# KiCad board ASP-K8071.kicad_pcb (continued)
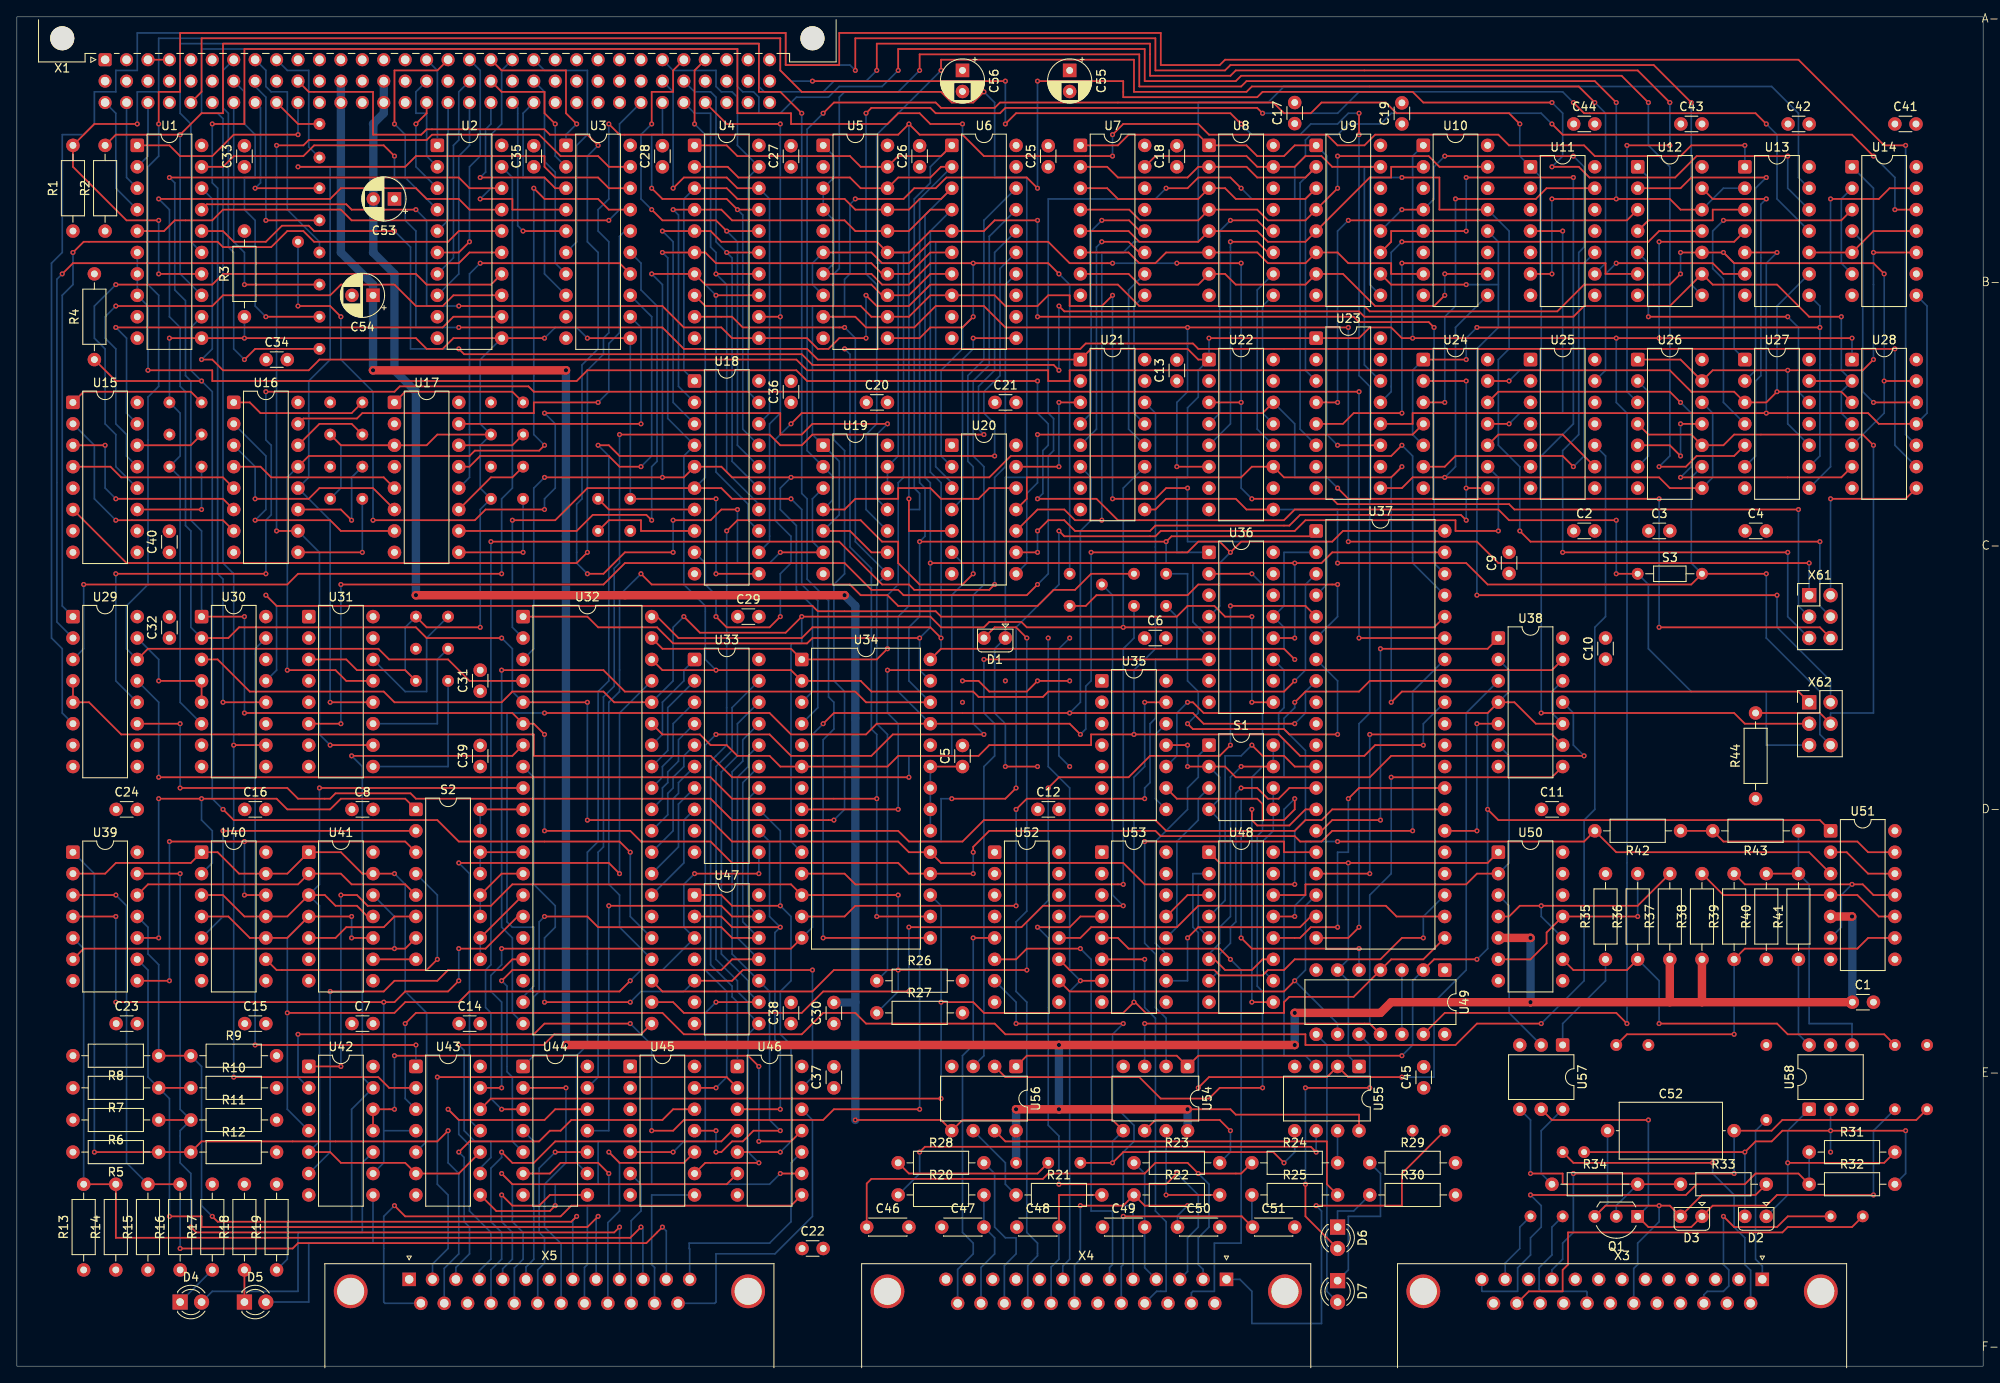
[diagram p0: board, top side]
## Routing (per net, layer and track width the routed paths; a pad name or vN(x,y) marks a point on that pad's centre or on a via; arc(x,y) is an arc through that point) (continued)
U53Y3: length 28.6
  Bottom w0.2: U53.11 136.19,48.88 134.91,50.15 134.91,62.21 138.72,66.02 138.72,68.56 140,69.83 140,72.37 S1.1
U53Y4: length 23.9
  Top w0.2: U37.19 153.33,53.32 152.06,52.05 140,52.05 v1(138.72,50.78)
  Bottom w0.2: U53.10 138.72,45.7 v1(138.72,50.78)
U54A1: length 49.3
  Top w0.2: v1(133.65,62.21) 150.16,62.21 150.16,60.94 U37.16
  Bottom w0.2: U54.2 136.19,41.25 134.91,42.53 134.91,48.88 133.65,50.15 v1(133.65,62.21)
U54Y1: length 14
  Top w0.2: v1(136.19,20.3) R22.2
  Bottom w0.2: U54.7 v1(136.19,20.3)
U54Y2: length 15.5
  Top w0.2: v1(143.81,27.92) 142.53,29.19 134.91,29.19 U54.6
  Bottom w0.2: v1(143.81,27.92) 143.81,25.38 R23.2
U55Y1: length 3.8
  Bottom w0.2: U55.7 R24.2
U55Y2: length 56.2
  Top w0.2: v1(106.97,25.38) 107.61,26.01 153.33,26.01 v1(153.97,25.38)
  Bottom w0.2: U55.6 v1(153.97,25.38) ; v1(106.97,25.38) 106.97,22.84 R20.1
U56Y1: length 46.8
  Top w0.2: R25.2 155.23,21.57 155.23,26.65 117.13,26.65 U56.7
U56Y2: length 9.7
  Bottom w0.2: R21.1 117.13,21.57 117.13,24.11 U56.6
U57A: length 12.3
  Bottom w0.2: U57.1 183.18,40.62 188.25,45.7 R35.1
X1C3: length 8.1
  Bottom w0.2: X1.c3 15.53,143.49 U1.2
X1C26: length 73
  Top w0.2: U1.5 17.44,134.6 18.71,135.87 23.16,135.87 24.42,137.14 38.39,137.14 39.66,135.87 v1(70.14,135.87)
  Bottom w0.2: X1.c26 71.41,147.3 71.41,137.14 v1(70.14,135.87)
X105_P: length 19.8
  Bottom w0.2: X3.1 206.84,11.88 206.03,12.68 206.03,27.92 X105.1
X111_P: length 51.1
  Top w0.2: v1(153.97,19.03) 164.12,19.03 164.12,22.84 X111.1
  Bottom w0.2: X4.1 144.93,10.29 146.34,8.87 146.34,5.06 154.6,5.06 154.6,18.4 v1(153.97,19.03)
X201_P: length 49
  Top w0.2: X201.1 217.47,16.49 209.84,16.49 209.21,15.85 183.81,15.85 183.81,12.04 183.18,11.41 183.18,8.87 179.17,8.87 X3.24
X202_P: length 26.7
  Top w0.2: v1(202.22,17.76) 203.5,16.49 208.57,16.49 209.84,17.76 X202.1
  Bottom w0.2: v1(202.22,17.76) 202.22,12.04 202.86,11.41 202.86,9.5 202.22,8.87 200.32,8.87 199.91,8.46 X3.16
X203_P: length 16.9
  Bottom w0.2: X3.21 186.06,8.78 185.97,8.87 180.63,8.87 180.38,9.12 180.38,11.66 181.91,13.19 181.91,16.49 X203.1
X204_P: length 8.7
  Bottom w0.2: X3.12 176.37,12.22 178.09,13.95 178.09,16.49 X204.1
X1010_P: length 36.8
  Top w0.2: X1010.1 184.44,24.11 v1(200.96,24.11)
  Bottom w0.2: 205.45,7.45 205.45,11.36 204.76,12.04 204.76,15.22 203.5,16.49 203.5,20.3 200.96,22.84 v1(200.96,24.11)
Net-(D4-A): length 36.6
  Bottom w0.2: D4.2 23.16,8.87 33.31,8.87 33.31,15.85 40.94,15.85 40.94,24.11 U42.10
Net-(D4-K): length 5.4
  Bottom w0.2: D4.1 R17.1
Net-(D5-A): length 25.4
  Bottom w0.2: D5.2 34.58,7.6 34.58,14.59 42.2,14.59 U42.8
Net-(D5-K): length 3.8
  Top w0.2: D5.1 R18.1
Net-(D6-A): length 35.1
  Top w0.2: D6.2 152.69,17.76 v1(152.69,21.57) ; v1(160.31,33) v1(152.69,33)
  Bottom w0.2: v1(160.31,33) 160.31,38.08 U49.10 ; v1(152.69,33) v1(152.69,21.57)
Net-(D6-K): length 6.5
  Bottom w0.2: D6.1 156.5,18.4 158.41,18.4 R30.1
Net-(D7-A): length 32.8
  Bottom w0.2: D7.2 155.23,8.87 155.23,38.08 U49.8
Net-(D7-K): length 18.8
  Bottom w0.2: R29.1 161.59,22.84 161.59,17.76 157.78,17.76 157.78,11.41 D7.1
Net-(S2-Pad1): length 61.1
  Top w0.2: v1(16.8,67.29) v1(21.89,67.29) 30.78,67.29 32.05,66.02 37.12,66.02 38.39,67.29 46.02,67.29 S2.1 ; v1(16.8,50.78) U39.10
  Bottom w0.2: v1(21.89,67.29) 21.89,64.75 23.16,63.48 23.16,59.67 U40.2 ; v1(16.8,67.29) v1(16.8,50.78)
Net-(S2-Pad2): length 36.6
  Top w0.2: v1(24.42,63.48) S2.2
  Bottom w0.2: U40.5 24.42,53.32 v1(24.42,63.48)
Net-(S2-Pad3): length 58.9
  Top w0.2: v1(18.07,62.21) v1(26.97,62.21) 46.02,62.21 S2.3 ; v1(26.97,55.86) U40.12 ; U39.8 v1(18.07,45.7)
  Bottom w0.2: v1(26.97,62.21) v1(26.97,55.86) ; v1(18.07,45.7) v1(18.07,62.21)
Net-(S2-Pad4): length 32.6
  Top w0.2: v1(49.83,48.24) 48.55,46.97 30.78,46.97 U40.9
  Bottom w0.2: v1(49.83,48.24) 49.83,55.86 S2.4
Net-(S2-Pad5): length 35.1
  Top w0.2: U39.12 15.53,57.13 33.31,57.13 U41.2 38.39,58.4 39.66,57.13 46.02,57.13 S2.5
Net-(S2-Pad6): length 13.8
  Top w0.2: U41.5 37.76,50.78 39.03,52.05 43.47,52.05 44.75,53.32 S2.6
Net-(S2-Pad7): length 49.1
  Top w0.2: S2.7 46.02,49.51 v1(44.75,49.51) 7.91,49.51 U39.6
  Bottom w0.2: U41.12 44.75,53.32 v1(44.75,49.51)
Net-(S2-Pad8): length 5.1
  Top w0.2: U41.9 S2.8
Net-(U14-Pad2): length 11.2
  Bottom w0.2: U14.6 216.2,130.79 216.2,138.41 U14.2
Net-(U15-B1): length 12.7
  Top w0.2: U15.11 v1(21.89,101.58)
  Bottom w0.2: v1(21.89,101.58) X191.1
Net-(U15-B2): length 8.1
  Top w0.2: U15.14 20.61,109.2 X192.1
Net-(U15-B3): length 16.3
  Top w0.2: X193.1 20.61,115.55 7.91,115.55 U15.1
Net-(U15-Ia<b): length 28
  Top w0.2: U16.7 24.42,100.31 v1(11.73,100.31)
  Bottom w0.2: U15.2 9.19,109.2 9.19,102.85 v1(11.73,100.31)
Net-(U15-Ia=b): length 25.2
  Top w0.2: v1(11.73,102.85) 24.42,102.85 U16.6 ; U15.3 v1(10.45,109.2)
  Bottom w0.2: v1(11.73,102.85) 10.45,104.12 v1(10.45,109.2)
Net-(U15-Ia>b): length 20.1
  Top w0.2: U15.4 11.09,106.66 12.36,105.39 24.42,105.39 U16.5
Net-(U15-Oa=b): length 316.4
  Top w0.2: v1(105.71,102.85) 105.71,99.04 U20.5 ; v1(70.14,147.3) 71.41,146.03 104.44,146.03 v1(105.71,147.3) 106.97,146.03 112.06,146.03 114.59,143.49 v1(129.84,143.49) ; v1(129.84,146.03) 131.1,147.3 140,147.3 141.26,146.03 155.23,146.03 156.5,144.76 159.68,144.76 160.95,146.03 175.56,146.03 176.82,144.76 185.72,144.76 186.98,143.49 197.15,143.49 198.41,144.76 v1(204.76,144.76) ; U15.6 12.99,95.23 66.33,95.23 v1(67.61,96.5)
  Bottom w0.2: v1(70.14,147.3) 70.14,138.41 68.88,137.14 68.88,134.6 70.14,133.33 70.14,122.53 69.51,121.9 69.51,119.99 67.61,118.09 v1(67.61,96.5) ; v1(105.71,147.3) v1(105.71,102.85) ; U13.1 v1(204.76,144.76) ; v1(129.84,143.49) v1(129.84,146.03)
Net-(U16-B0): length 14
  Top w0.2: U16.9 v1(40.94,96.5)
  Bottom w0.2: X171.1 v1(40.94,96.5)
Net-(U16-B1): length 13.8
  Top w0.2: U16.11 38.39,101.58 v1(39.66,100.31)
  Bottom w0.2: v1(39.66,100.31) 39.66,105.39 X172.1
Net-(U16-B2): length 9.2
  Top w0.2: X173.1 39.66,111.74 35.86,111.74 U16.14
Net-(U16-B3): length 16.3
  Top w0.2: U16.1 27.6,114.28 28.87,113.01 39.66,113.01 X174.1
Net-(U16-Ia<b): length 30.6
  Top w0.2: v1(28.23,100.31) 37.12,100.31 38.39,99.04 U17.7
  Bottom w0.2: v1(28.23,100.31) 29.5,101.58 29.5,107.93 U16.2
Net-(U16-Ia=b): length 25.5
  Top w0.2: v1(28.23,102.85) 34.58,102.85 35.86,104.12 42.2,104.12 U17.6
  Bottom w0.2: U16.3 28.23,106.66 v1(28.23,102.85)
Net-(U16-Ia>b): length 20.1
  Top w0.2: U16.4 28.87,106.66 30.14,105.39 43.47,105.39 U17.5
Net-(U17-B0): length 14
  Top w0.2: v1(59.98,96.5) U17.9
  Bottom w0.2: X151.1 v1(59.98,96.5)
Net-(U17-B1): length 9.7
  Top w0.2: X152.1 58.72,105.39 56.17,105.39 U17.11
Net-(U17-B2): length 8.1
  Top w0.2: U17.14 58.72,109.2 X153.1
Net-(U17-B3): length 16.3
  Top w0.2: X154.1 58.72,115.55 46.02,115.55 U17.1
Net-(U26-Pad2): length 11.2
  Bottom w0.2: U26.6 193.34,107.93 193.34,115.55 U26.2
Net-(U29-O0): length 13.8
  Top w0.2: U30.5 U30.4 v1(16.8,81.26)
  Bottom w0.2: U29.15 16.8,83.8 v1(16.8,81.26)
Net-(U30-O0): length 70.4
  Top w0.2: v1(28.23,38.08) v1(47.28,38.08)
  Bottom w0.2: U30.15 28.23,85.07 v1(28.23,38.08) ; U43.1 v1(47.28,38.08)
Net-(U30-O3): length 229.1
  Top w0.2: v1(23.16,147.3) 26.97,147.3 26.97,156.19 85.38,156.19 85.38,148.57 91.73,148.57 91.73,147.3 103.16,147.3 104.44,148.57 106.97,148.57 108.25,147.3 v1(112.06,147.3) ; U30.12 v1(24.42,78.72)
  Bottom w0.2: v1(112.06,147.3) 112.06,133.33 108.88,133.33 108.88,106.66 110.78,104.75 U20.3 ; v1(24.42,78.72) 24.42,93.33 23.79,93.96 23.79,139.68 23.16,140.31 v1(23.16,147.3)
Net-(U30-O5): length 394.9
  Top w0.2: v1(25.69,34.27) 42.84,34.27 44.11,33 U43.2 ; U27.5 203.5,107.93 199.05,107.93 197.78,106.66 v1(194.6,106.66) ; v1(104.44,153.65) 104.44,156.19 133.65,156.19 133.65,152.38 144.44,152.38 145.07,153.01 190.16,153.01 v1(193.34,149.84) ; U30.10 v1(25.69,73.64)
  Bottom w0.2: v1(104.44,153.65) 102.53,151.75 97.45,151.75 96.18,150.47 92.37,150.47 90.47,148.57 87.93,148.57 87.93,150.47 87.29,151.11 86.02,151.11 85.38,151.75 85.38,156.19 21.89,156.19 21.89,148.57 23.79,148.57 24.42,147.94 24.42,95.23 25.69,93.96 v1(25.69,73.64) v1(25.69,34.27) ; v1(194.6,106.66) 195.88,107.93 195.88,142.22 193.34,144.76 v1(193.34,149.84)
Net-(U31-B0): length 19
  Bottom w0.2: X161.1 51.09,71.1 U31.9
Net-(U31-B1): length 17
  Bottom w0.2: U31.11 49.83,76.18 49.83,83.8 X162.1
Net-(U31-B2): length 17.9
  Bottom w0.2: U31.14 46.02,79.99 48.55,79.99 48.55,86.34 X163.1
Net-(U32-BRDY): length 42.4
  Top w0.2: U32.21 73.95,39.35 63.68,39.35 62.41,38.08 v1(52.36,38.08)
  Bottom w0.2: v1(52.36,38.08) 53,37.44 53,27.92 54.27,26.65 56.17,26.65 56.17,24.75 54.91,23.47 U43.9
Net-(U32-~{BSTB}): length 47.1
  Top w0.2: v1(37.12,44.43) 43.47,44.43 44.75,45.7 49.83,45.7 51.09,46.97 57.44,46.97 58.72,48.24 U32.17
  Bottom w0.2: U42.6 37.12,25.38 v1(37.12,44.43)
Net-(U33-DIR): length 123.2
  Top w0.2: v1(39.66,53.32) U41.4 32.05,50.78 U40.10 27.6,50.78 25.06,53.32 U40.4 ; v1(72.69,45.7) 71.41,44.43 53.64,44.43 52.36,43.16 46.02,43.16 44.75,41.89 v1(32.05,41.89) ; v1(80.3,58.4) v1(87.93,58.4) ; U41.10 v1(39.66,50.78)
  Bottom w0.2: U33.11 v1(87.93,58.4) ; v1(72.69,45.7) 73.95,46.97 76.5,46.97 U47.3 79.03,52.05 79.03,57.13 v1(80.3,58.4) ; v1(39.66,50.78) v1(39.66,53.32) ; U41.4 32.05,50.78 v1(32.05,41.89) 32.05,30.46 U42.4
Net-(U35-Pad12): length 11.2
  Bottom w0.2: U35.12 134.91,74.91 134.91,67.29 U35.8
Net-(U39-Pad2): length 77.4
  Top w0.2: v1(44.75,58.4) U41.13 40.94,58.4 38.39,60.94 U41.1 32.05,58.4 U40.13 26.33,58.4 23.79,60.94 U40.1 20.61,59.67 11.73,59.67 10.45,58.4 U39.2
  Bottom w0.2: v1(44.75,58.4) 46.02,57.13 46.02,44.43 48.55,41.89 48.55,26.65 U43.5
Net-(U43-Pad8): length 52.4
  Top w0.2: U43.8 56.81,18.4 63.16,18.4 v1(63.8,19.03) ; v1(90.47,22.84) U46.9
  Bottom w0.2: v1(90.47,22.84) 89.19,21.57 75.22,21.57 75.22,26.65 68.88,26.65 68.88,21.57 63.8,21.57 v1(63.8,19.03)
Net-(U51A-1A): length 8.7
  Top w0.2: U51.12 219.37,58.4 216.83,60.94 U51.2
Net-(X1-Pin_a3): length 2.5
  Top w0.2: X1.a3 X1.a4
Net-(X5-P14): length 66.3
  Top w0.2: U46.8 91.73,19.03 65.7,19.03 64.43,17.76 46.02,17.76 v1(44.75,19.03)
  Bottom w0.2: v1(44.75,19.03) 43.47,17.76 43.47,7.6 43.62,7.45 X5.14
Net-(X189-Pin_1): length 127.2
  Top w0.2: v1(38.39,124.44) 37.12,125.71 v1(33.31,125.71) ; v1(62.53,101.58) 55.54,101.58 54.27,100.31 v1(42.2,100.31) ; v1(62.53,113.01) 90.47,113.01 90.47,110.47 93,110.47 94.28,111.74 v1(103.16,111.74)
  Bottom w0.2: v1(42.2,100.31) 42.2,115.55 38.39,119.36 v1(38.39,124.44) ; v1(62.53,113.01) 63.8,111.74 63.8,104.12 62.53,102.85 v1(62.53,101.58) ; v1(103.16,111.74) 101.9,110.47 101.9,102.85 U19.11 ; v1(33.31,125.71) X189.1

## Copper pours and planes (outline as drawn; the poured copper is in the pictures)
+5V on In1.Cu: 2.84,154.92 7.91,154.92 7.91,158.73 91.73,158.73 91.73,154.92 96.81,154.92 96.81,158.73 136.19,158.73 136.19,154.92 141.26,154.92 141.26,158.73 225.09,158.73 225.09,154.92 230.16,154.92 230.16,158.73 231.43,158.73 231.43,36.81 169.21,36.81 169.21,31.73 171.75,31.73 171.75,19.03 157.78,19.03 157.78,6.33 155.23,6.33 155.23,2.52 96.81,2.52 96.81,5.06 91.73,5.06 91.73,2.52 7.91,2.52 7.91,6.33 2.84,6.33 2.84,2.52 1.56,2.52 1.56,158.73 2.84,158.73 ; 4 cut-outs
GND on In2.Cu: 2.84,154.92 7.91,154.92 7.91,158.73 91.73,158.73 91.73,154.92 96.81,154.92 96.81,158.73 136.19,158.73 136.19,154.92 141.26,154.92 141.26,158.73 225.09,158.73 225.09,154.92 230.16,154.92 230.16,158.73 231.43,158.73 231.43,36.81 169.21,36.81 169.21,31.73 171.75,31.73 171.75,19.03 157.78,19.03 157.78,6.33 155.23,6.33 155.23,2.52 96.81,2.52 96.81,5.06 91.73,5.06 91.73,2.52 7.91,2.52 7.91,6.33 2.84,6.33 2.84,2.52 1.56,2.52 1.56,158.73 2.84,158.73 ; 4 cut-outs

## Text on the board
F.Silkscreen: K | I | G | E | C | H | A | X | W | U | S | Q | O | M | F | D | B | A- | B- | C- | D- | E- | F-
